# Altium PCB CHAHARDOLI-7 ADAD METAL.PcbDoc (part 1 of 11)
Units mm, origin at the board's own origin, x right, y up, seen from the top; angles counter-clockwise.
Board outline 151 x 86.38 mm, 2 copper layers (Top Layer, Bottom Layer); 1496 components, 81 nets, 3725 pads, 848 vias.
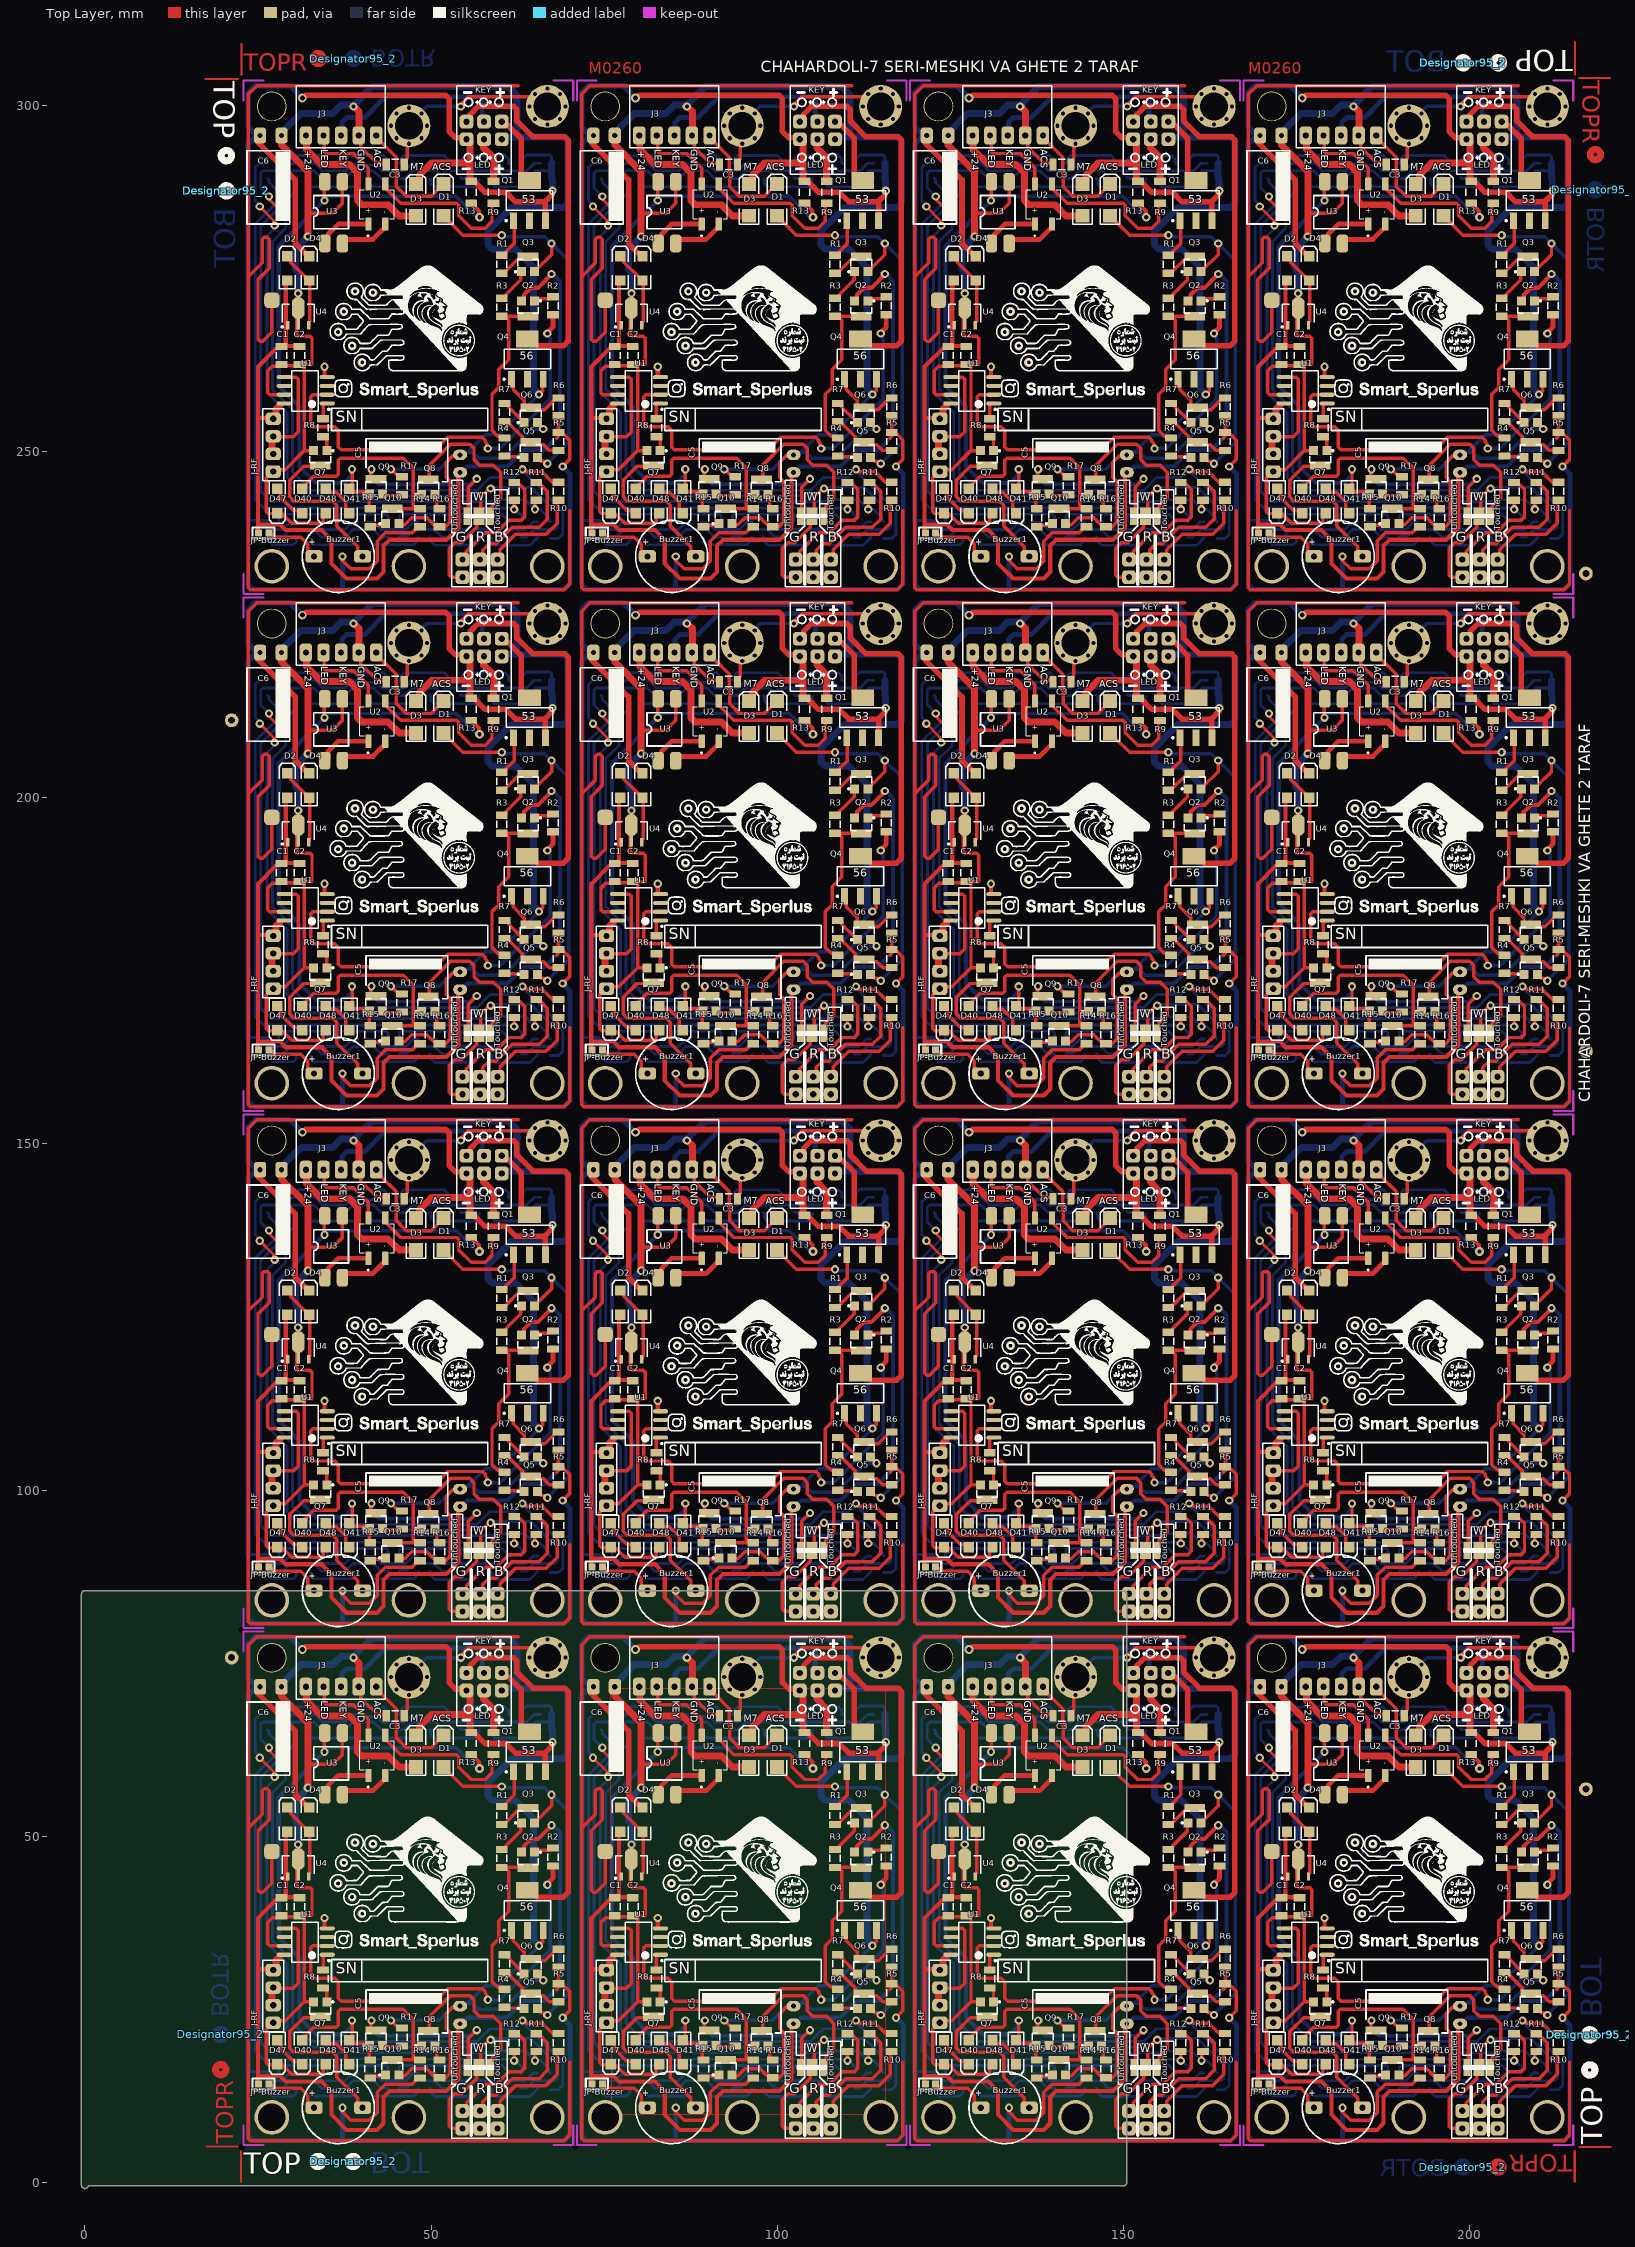
[diagram p0: Top Layer view]
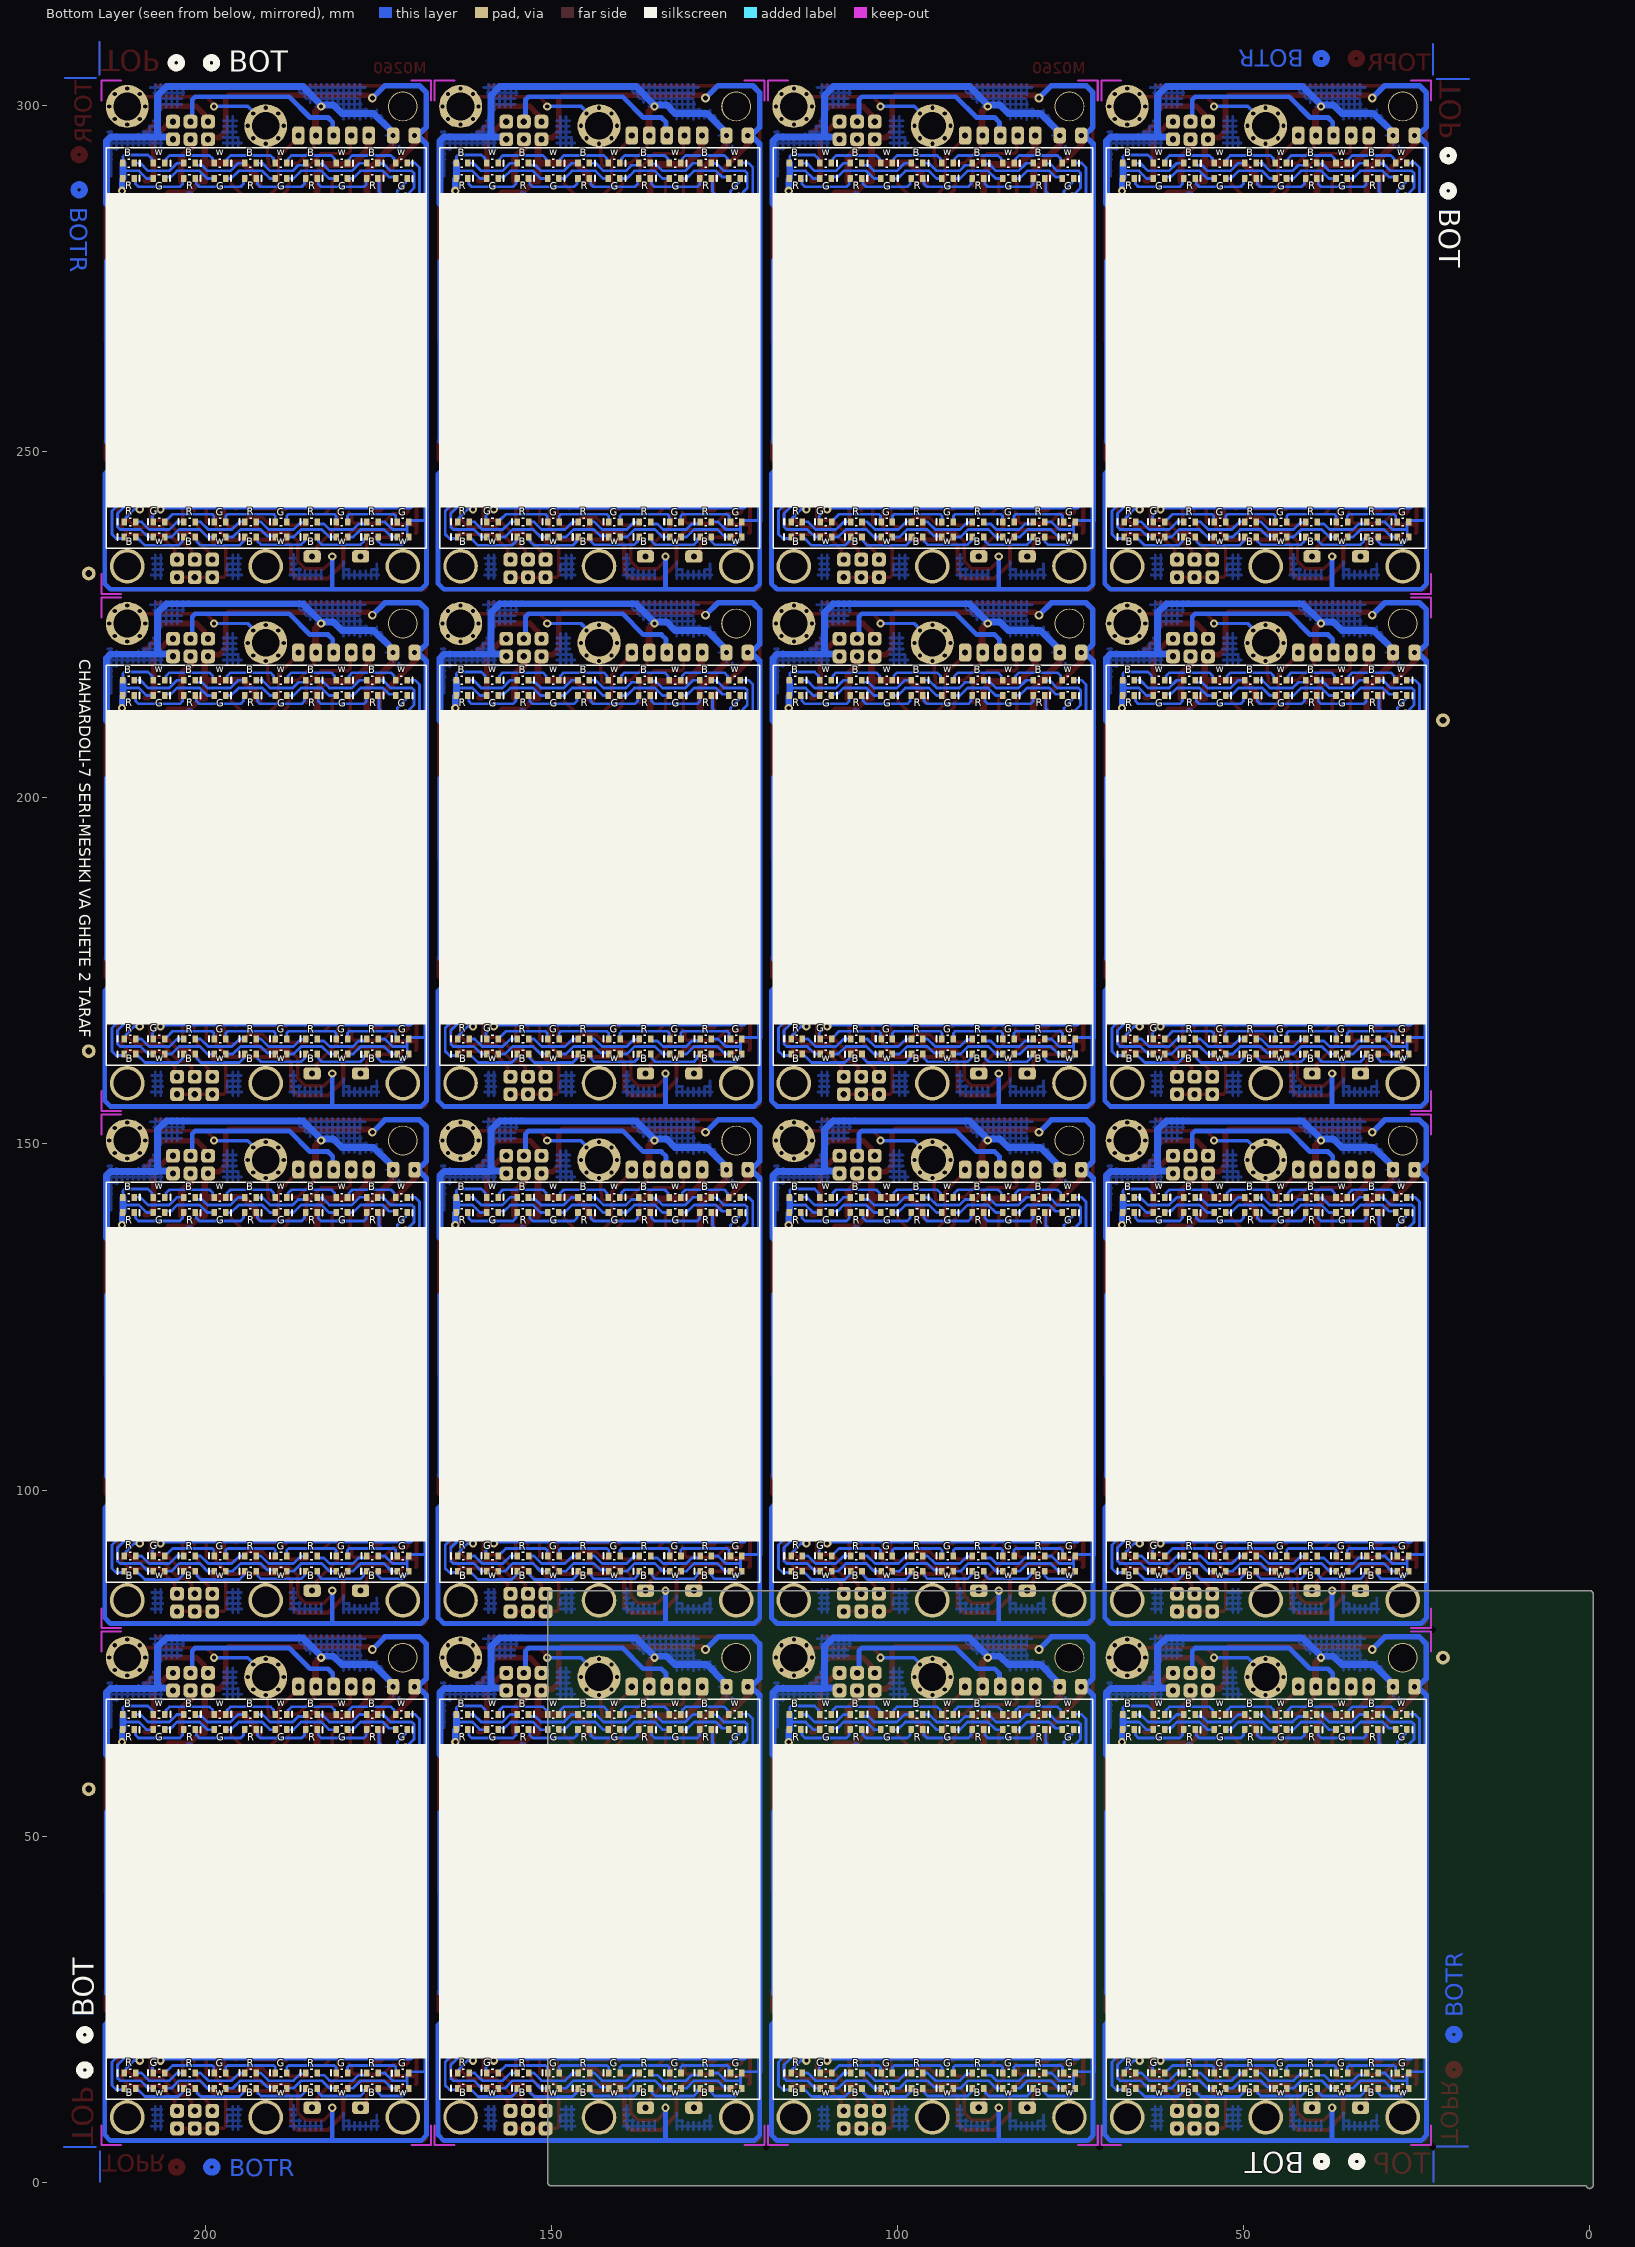
[diagram p1: Bottom Layer view, seen from below]

## Layer stack, top to bottom
Top Solder: solder mask 0.0102, Solder Resist, Dk 3.5
Top Layer: signal copper 0.0356
Dielectric 1: dielectric 0.32, FR-4, Dk 4.8
Bottom Layer: signal copper 0.0356
Bottom Solder: solder mask 0.0102, Solder Resist, Dk 3.5

## Board outline
-0.5,-0.381 -0.5,85 cw(c0,85) 0,85.5 150,85.5 cw(c150,85) 150.5,85 150.5,0 cw(c150,0) 150,-0.5 0.486,-0.5 cw(c0,-0.381)

## Design rules (kind name [scope] priority, off if disabled: settings)
Clearance Clearance_1 [InPolygon] p1: gap=1
Clearance [All] p2: gap=0.4
PolygonConnect [All] p1: connectstyle=Relief reliefconductorwidth=0.254 reliefentries=4 polygonreliefangle="90 Angle" airgapwidth=0.254
RoutingLayers [All] p1: top layer_v5=FALSE bottom layer_v5=TRUE
RoutingVias [All] p1: holewidth=0.711 width=2.5 viastyle="Through Hole" minholewidth=0.711 minwidth=1.27 maxholewidth=0.711 maxwidth=2
SolderMaskExpansion [All] p1: expansion=0.102
Width [All] p1: maxlimit=3 minlimit=0.4 preferedwidth=1
29 further rules are at their usual default settings.

## Classes and differential pairs
component class touch-24-v6-serang: B Buzzer1 C1 C2 C3 C5 C6 D1 D2 D3 D4 D40 D41 D47 D48 G J3 J8 JP? P5 P7 Q1 Q2 Q3 Q4 Q5 Q6 Q7 Q8 Q9 Q10 R R1 R2 R3 R4 R5 R6 R7 R8 R9 R10 R11 R12 R13 R14 R15 R16 R17 R22 U1 U2 U3 U4 U17 w

## Components (designator, comment, footprint, x,y, rotation, side; value= is the part's Value field where it differs from the comment)
B "LED2" "RES 0805 (2012X06L)" 114.545,13.6 r0 bottom (schematic designator 4)
B "LED2" "RES 0805 (2012X06L)" 105.945,13.6 r0 bottom (schematic designator 4)
B "LED2" "RES 0805 (2012X06L)" 97.145,13.6 r0 bottom (schematic designator 4)
B "LED2" "RES 0805 (2012X06L)" 88.345,13.6 r0 bottom (schematic designator 4)
B "LED2" "RES 0805 (2012X06L)" 79.545,13.6 r0 bottom (schematic designator 4)
B "LED2" "RES 0805 (2012X06L)" 79.545,67.6 r180 bottom (schematic designator 4)
B "LED2" "RES 0805 (2012X06L)" 88.345,67.6 r180 bottom (schematic designator 4)
B "LED2" "RES 0805 (2012X06L)" 97.145,67.6 r180 bottom (schematic designator 4)
B "LED2" "RES 0805 (2012X06L)" 105.945,67.6 r180 bottom (schematic designator 4)
B "LED2" "RES 0805 (2012X06L)" 114.745,67.6 r180 bottom (schematic designator 4)
B "LED2" "RES 0805 (2012X06L)" 66.6,67.6 r180 bottom (schematic designator 4)
B "LED2" "RES 0805 (2012X06L)" 57.8,67.6 r180 bottom (schematic designator 4)
B "LED2" "RES 0805 (2012X06L)" 49,67.6 r180 bottom (schematic designator 4)
B "LED2" "RES 0805 (2012X06L)" 40.2,67.6 r180 bottom (schematic designator 4)
B "LED2" "RES 0805 (2012X06L)" 31.4,67.6 r180 bottom (schematic designator 4)
B "LED2" "RES 0805 (2012X06L)" 31.4,13.6 r0 bottom (schematic designator 4)
B "LED2" "RES 0805 (2012X06L)" 40.2,13.6 r0 bottom (schematic designator 4)
B "LED2" "RES 0805 (2012X06L)" 49,13.6 r0 bottom (schematic designator 4)
B "LED2" "RES 0805 (2012X06L)" 57.8,13.6 r0 bottom (schematic designator 4)
B "LED2" "RES 0805 (2012X06L)" 66.4,13.6 r0 bottom (schematic designator 4)
B "LED2" "RES 0805 (2012X06L)" 162.69,13.6 r0 bottom (schematic designator 4)
B "LED2" "RES 0805 (2012X06L)" 154.09,13.6 r0 bottom (schematic designator 4)
B "LED2" "RES 0805 (2012X06L)" 145.29,13.6 r0 bottom (schematic designator 4)
B "LED2" "RES 0805 (2012X06L)" 136.49,13.6 r0 bottom (schematic designator 4)
B "LED2" "RES 0805 (2012X06L)" 127.69,13.6 r0 bottom (schematic designator 4)
B "LED2" "RES 0805 (2012X06L)" 127.69,67.6 r180 bottom (schematic designator 4)
B "LED2" "RES 0805 (2012X06L)" 136.49,67.6 r180 bottom (schematic designator 4)
B "LED2" "RES 0805 (2012X06L)" 145.29,67.6 r180 bottom (schematic designator 4)
B "LED2" "RES 0805 (2012X06L)" 154.09,67.6 r180 bottom (schematic designator 4)
B "LED2" "RES 0805 (2012X06L)" 162.89,67.6 r180 bottom (schematic designator 4)
B "LED2" "RES 0805 (2012X06L)" 211.035,67.6 r180 bottom (schematic designator 4)
B "LED2" "RES 0805 (2012X06L)" 202.235,67.6 r180 bottom (schematic designator 4)
B "LED2" "RES 0805 (2012X06L)" 193.435,67.6 r180 bottom (schematic designator 4)
B "LED2" "RES 0805 (2012X06L)" 184.635,67.6 r180 bottom (schematic designator 4)
B "LED2" "RES 0805 (2012X06L)" 175.835,67.6 r180 bottom (schematic designator 4)
B "LED2" "RES 0805 (2012X06L)" 175.835,13.6 r0 bottom (schematic designator 4)
B "LED2" "RES 0805 (2012X06L)" 184.635,13.6 r0 bottom (schematic designator 4)
B "LED2" "RES 0805 (2012X06L)" 193.435,13.6 r0 bottom (schematic designator 4)
B "LED2" "RES 0805 (2012X06L)" 202.235,13.6 r0 bottom (schematic designator 4)
B "LED2" "RES 0805 (2012X06L)" 210.835,13.6 r0 bottom (schematic designator 4)
B "LED2" "RES 0805 (2012X06L)" 210.835,88.288 r0 bottom (schematic designator 4)
B "LED2" "RES 0805 (2012X06L)" 202.235,88.288 r0 bottom (schematic designator 4)
B "LED2" "RES 0805 (2012X06L)" 193.435,88.288 r0 bottom (schematic designator 4)
B "LED2" "RES 0805 (2012X06L)" 184.635,88.288 r0 bottom (schematic designator 4)
B "LED2" "RES 0805 (2012X06L)" 175.835,88.288 r0 bottom (schematic designator 4)
B "LED2" "RES 0805 (2012X06L)" 175.835,142.288 r180 bottom (schematic designator 4)
B "LED2" "RES 0805 (2012X06L)" 184.635,142.288 r180 bottom (schematic designator 4)
B "LED2" "RES 0805 (2012X06L)" 193.435,142.288 r180 bottom (schematic designator 4)
B "LED2" "RES 0805 (2012X06L)" 202.235,142.288 r180 bottom (schematic designator 4)
B "LED2" "RES 0805 (2012X06L)" 211.035,142.288 r180 bottom (schematic designator 4)
B "LED2" "RES 0805 (2012X06L)" 162.89,142.288 r180 bottom (schematic designator 4)
B "LED2" "RES 0805 (2012X06L)" 154.09,142.288 r180 bottom (schematic designator 4)
B "LED2" "RES 0805 (2012X06L)" 145.29,142.288 r180 bottom (schematic designator 4)
B "LED2" "RES 0805 (2012X06L)" 136.49,142.288 r180 bottom (schematic designator 4)
B "LED2" "RES 0805 (2012X06L)" 127.69,142.288 r180 bottom (schematic designator 4)
B "LED2" "RES 0805 (2012X06L)" 127.69,88.288 r0 bottom (schematic designator 4)
B "LED2" "RES 0805 (2012X06L)" 136.49,88.288 r0 bottom (schematic designator 4)
B "LED2" "RES 0805 (2012X06L)" 145.29,88.288 r0 bottom (schematic designator 4)
B "LED2" "RES 0805 (2012X06L)" 154.09,88.288 r0 bottom (schematic designator 4)
B "LED2" "RES 0805 (2012X06L)" 162.69,88.288 r0 bottom (schematic designator 4)
B "LED2" "RES 0805 (2012X06L)" 66.4,88.288 r0 bottom (schematic designator 4)
B "LED2" "RES 0805 (2012X06L)" 57.8,88.288 r0 bottom (schematic designator 4)
B "LED2" "RES 0805 (2012X06L)" 49,88.288 r0 bottom (schematic designator 4)
B "LED2" "RES 0805 (2012X06L)" 40.2,88.288 r0 bottom (schematic designator 4)
B "LED2" "RES 0805 (2012X06L)" 31.4,88.288 r0 bottom (schematic designator 4)
B "LED2" "RES 0805 (2012X06L)" 31.4,142.288 r180 bottom (schematic designator 4)
B "LED2" "RES 0805 (2012X06L)" 40.2,142.288 r180 bottom (schematic designator 4)
B "LED2" "RES 0805 (2012X06L)" 49,142.288 r180 bottom (schematic designator 4)
B "LED2" "RES 0805 (2012X06L)" 57.8,142.288 r180 bottom (schematic designator 4)
B "LED2" "RES 0805 (2012X06L)" 66.6,142.288 r180 bottom (schematic designator 4)
B "LED2" "RES 0805 (2012X06L)" 114.745,142.288 r180 bottom (schematic designator 4)
B "LED2" "RES 0805 (2012X06L)" 105.945,142.288 r180 bottom (schematic designator 4)
B "LED2" "RES 0805 (2012X06L)" 97.145,142.288 r180 bottom (schematic designator 4)
B "LED2" "RES 0805 (2012X06L)" 88.345,142.288 r180 bottom (schematic designator 4)
B "LED2" "RES 0805 (2012X06L)" 79.545,142.288 r180 bottom (schematic designator 4)
B "LED2" "RES 0805 (2012X06L)" 79.545,88.288 r0 bottom (schematic designator 4)
B "LED2" "RES 0805 (2012X06L)" 88.345,88.288 r0 bottom (schematic designator 4)
B "LED2" "RES 0805 (2012X06L)" 97.145,88.288 r0 bottom (schematic designator 4)
B "LED2" "RES 0805 (2012X06L)" 105.945,88.288 r0 bottom (schematic designator 4)
B "LED2" "RES 0805 (2012X06L)" 114.545,88.288 r0 bottom (schematic designator 4)
B "LED2" "RES 0805 (2012X06L)" 210.835,162.976 r0 bottom (schematic designator 4)
B "LED2" "RES 0805 (2012X06L)" 202.235,162.976 r0 bottom (schematic designator 4)
B "LED2" "RES 0805 (2012X06L)" 193.435,162.976 r0 bottom (schematic designator 4)
B "LED2" "RES 0805 (2012X06L)" 184.635,162.976 r0 bottom (schematic designator 4)
B "LED2" "RES 0805 (2012X06L)" 175.835,162.976 r0 bottom (schematic designator 4)
B "LED2" "RES 0805 (2012X06L)" 175.835,216.976 r180 bottom (schematic designator 4)
B "LED2" "RES 0805 (2012X06L)" 184.635,216.976 r180 bottom (schematic designator 4)
B "LED2" "RES 0805 (2012X06L)" 193.435,216.976 r180 bottom (schematic designator 4)
B "LED2" "RES 0805 (2012X06L)" 202.235,216.976 r180 bottom (schematic designator 4)
B "LED2" "RES 0805 (2012X06L)" 211.035,216.976 r180 bottom (schematic designator 4)
B "LED2" "RES 0805 (2012X06L)" 162.89,216.976 r180 bottom (schematic designator 4)
B "LED2" "RES 0805 (2012X06L)" 154.09,216.976 r180 bottom (schematic designator 4)
B "LED2" "RES 0805 (2012X06L)" 145.29,216.976 r180 bottom (schematic designator 4)
B "LED2" "RES 0805 (2012X06L)" 136.49,216.976 r180 bottom (schematic designator 4)
B "LED2" "RES 0805 (2012X06L)" 127.69,216.976 r180 bottom (schematic designator 4)
B "LED2" "RES 0805 (2012X06L)" 127.69,162.976 r0 bottom (schematic designator 4)
B "LED2" "RES 0805 (2012X06L)" 136.49,162.976 r0 bottom (schematic designator 4)
B "LED2" "RES 0805 (2012X06L)" 145.29,162.976 r0 bottom (schematic designator 4)
B "LED2" "RES 0805 (2012X06L)" 154.09,162.976 r0 bottom (schematic designator 4)
B "LED2" "RES 0805 (2012X06L)" 162.69,162.976 r0 bottom (schematic designator 4)
B "LED2" "RES 0805 (2012X06L)" 66.4,162.976 r0 bottom (schematic designator 4)
B "LED2" "RES 0805 (2012X06L)" 57.8,162.976 r0 bottom (schematic designator 4)
B "LED2" "RES 0805 (2012X06L)" 49,162.976 r0 bottom (schematic designator 4)
B "LED2" "RES 0805 (2012X06L)" 40.2,162.976 r0 bottom (schematic designator 4)
B "LED2" "RES 0805 (2012X06L)" 31.4,162.976 r0 bottom (schematic designator 4)
B "LED2" "RES 0805 (2012X06L)" 31.4,216.976 r180 bottom (schematic designator 4)
B "LED2" "RES 0805 (2012X06L)" 40.2,216.976 r180 bottom (schematic designator 4)
B "LED2" "RES 0805 (2012X06L)" 49,216.976 r180 bottom (schematic designator 4)
B "LED2" "RES 0805 (2012X06L)" 57.8,216.976 r180 bottom (schematic designator 4)
B "LED2" "RES 0805 (2012X06L)" 66.6,216.976 r180 bottom (schematic designator 4)
B "LED2" "RES 0805 (2012X06L)" 114.745,216.976 r180 bottom (schematic designator 4)
B "LED2" "RES 0805 (2012X06L)" 105.945,216.976 r180 bottom (schematic designator 4)
B "LED2" "RES 0805 (2012X06L)" 97.145,216.976 r180 bottom (schematic designator 4)
B "LED2" "RES 0805 (2012X06L)" 88.345,216.976 r180 bottom (schematic designator 4)
B "LED2" "RES 0805 (2012X06L)" 79.545,216.976 r180 bottom (schematic designator 4)
B "LED2" "RES 0805 (2012X06L)" 79.545,162.976 r0 bottom (schematic designator 4)
B "LED2" "RES 0805 (2012X06L)" 88.345,162.976 r0 bottom (schematic designator 4)
B "LED2" "RES 0805 (2012X06L)" 97.145,162.976 r0 bottom (schematic designator 4)
B "LED2" "RES 0805 (2012X06L)" 105.945,162.976 r0 bottom (schematic designator 4)
B "LED2" "RES 0805 (2012X06L)" 114.545,162.976 r0 bottom (schematic designator 4)
B "LED2" "RES 0805 (2012X06L)" 210.835,237.664 r0 bottom (schematic designator 4)
B "LED2" "RES 0805 (2012X06L)" 202.235,237.664 r0 bottom (schematic designator 4)
B "LED2" "RES 0805 (2012X06L)" 193.435,237.664 r0 bottom (schematic designator 4)
B "LED2" "RES 0805 (2012X06L)" 184.635,237.664 r0 bottom (schematic designator 4)
B "LED2" "RES 0805 (2012X06L)" 175.835,237.664 r0 bottom (schematic designator 4)
B "LED2" "RES 0805 (2012X06L)" 175.835,291.664 r180 bottom (schematic designator 4)
B "LED2" "RES 0805 (2012X06L)" 184.635,291.664 r180 bottom (schematic designator 4)
B "LED2" "RES 0805 (2012X06L)" 193.435,291.664 r180 bottom (schematic designator 4)
B "LED2" "RES 0805 (2012X06L)" 202.235,291.664 r180 bottom (schematic designator 4)
B "LED2" "RES 0805 (2012X06L)" 211.035,291.664 r180 bottom (schematic designator 4)
B "LED2" "RES 0805 (2012X06L)" 162.89,291.664 r180 bottom (schematic designator 4)
B "LED2" "RES 0805 (2012X06L)" 154.09,291.664 r180 bottom (schematic designator 4)
B "LED2" "RES 0805 (2012X06L)" 145.29,291.664 r180 bottom (schematic designator 4)
B "LED2" "RES 0805 (2012X06L)" 136.49,291.664 r180 bottom (schematic designator 4)
B "LED2" "RES 0805 (2012X06L)" 127.69,291.664 r180 bottom (schematic designator 4)
B "LED2" "RES 0805 (2012X06L)" 127.69,237.664 r0 bottom (schematic designator 4)
B "LED2" "RES 0805 (2012X06L)" 136.49,237.664 r0 bottom (schematic designator 4)
B "LED2" "RES 0805 (2012X06L)" 145.29,237.664 r0 bottom (schematic designator 4)
B "LED2" "RES 0805 (2012X06L)" 154.09,237.664 r0 bottom (schematic designator 4)
B "LED2" "RES 0805 (2012X06L)" 162.69,237.664 r0 bottom (schematic designator 4)
B "LED2" "RES 0805 (2012X06L)" 66.4,237.664 r0 bottom (schematic designator 4)
B "LED2" "RES 0805 (2012X06L)" 57.8,237.664 r0 bottom (schematic designator 4)
B "LED2" "RES 0805 (2012X06L)" 49,237.664 r0 bottom (schematic designator 4)
B "LED2" "RES 0805 (2012X06L)" 40.2,237.664 r0 bottom (schematic designator 4)
B "LED2" "RES 0805 (2012X06L)" 31.4,237.664 r0 bottom (schematic designator 4)
B "LED2" "RES 0805 (2012X06L)" 31.4,291.664 r180 bottom (schematic designator 4)
B "LED2" "RES 0805 (2012X06L)" 40.2,291.664 r180 bottom (schematic designator 4)
B "LED2" "RES 0805 (2012X06L)" 49,291.664 r180 bottom (schematic designator 4)
B "LED2" "RES 0805 (2012X06L)" 57.8,291.664 r180 bottom (schematic designator 4)
B "LED2" "RES 0805 (2012X06L)" 66.6,291.664 r180 bottom (schematic designator 4)
B "LED2" "RES 0805 (2012X06L)" 114.745,291.664 r180 bottom (schematic designator 4)
B "LED2" "RES 0805 (2012X06L)" 105.945,291.664 r180 bottom (schematic designator 4)
B "LED2" "RES 0805 (2012X06L)" 97.145,291.664 r180 bottom (schematic designator 4)
B "LED2" "RES 0805 (2012X06L)" 88.345,291.664 r180 bottom (schematic designator 4)
B "LED2" "RES 0805 (2012X06L)" 79.545,291.664 r180 bottom (schematic designator 4)
B "LED2" "RES 0805 (2012X06L)" 79.545,237.664 r0 bottom (schematic designator 4)
B "LED2" "RES 0805 (2012X06L)" 88.345,237.664 r0 bottom (schematic designator 4)
B "LED2" "RES 0805 (2012X06L)" 97.145,237.664 r0 bottom (schematic designator 4)
B "LED2" "RES 0805 (2012X06L)" 105.945,237.664 r0 bottom (schematic designator 4)